# Altium PCB BoardM.PcbDoc (part 3 of 6) (continued)
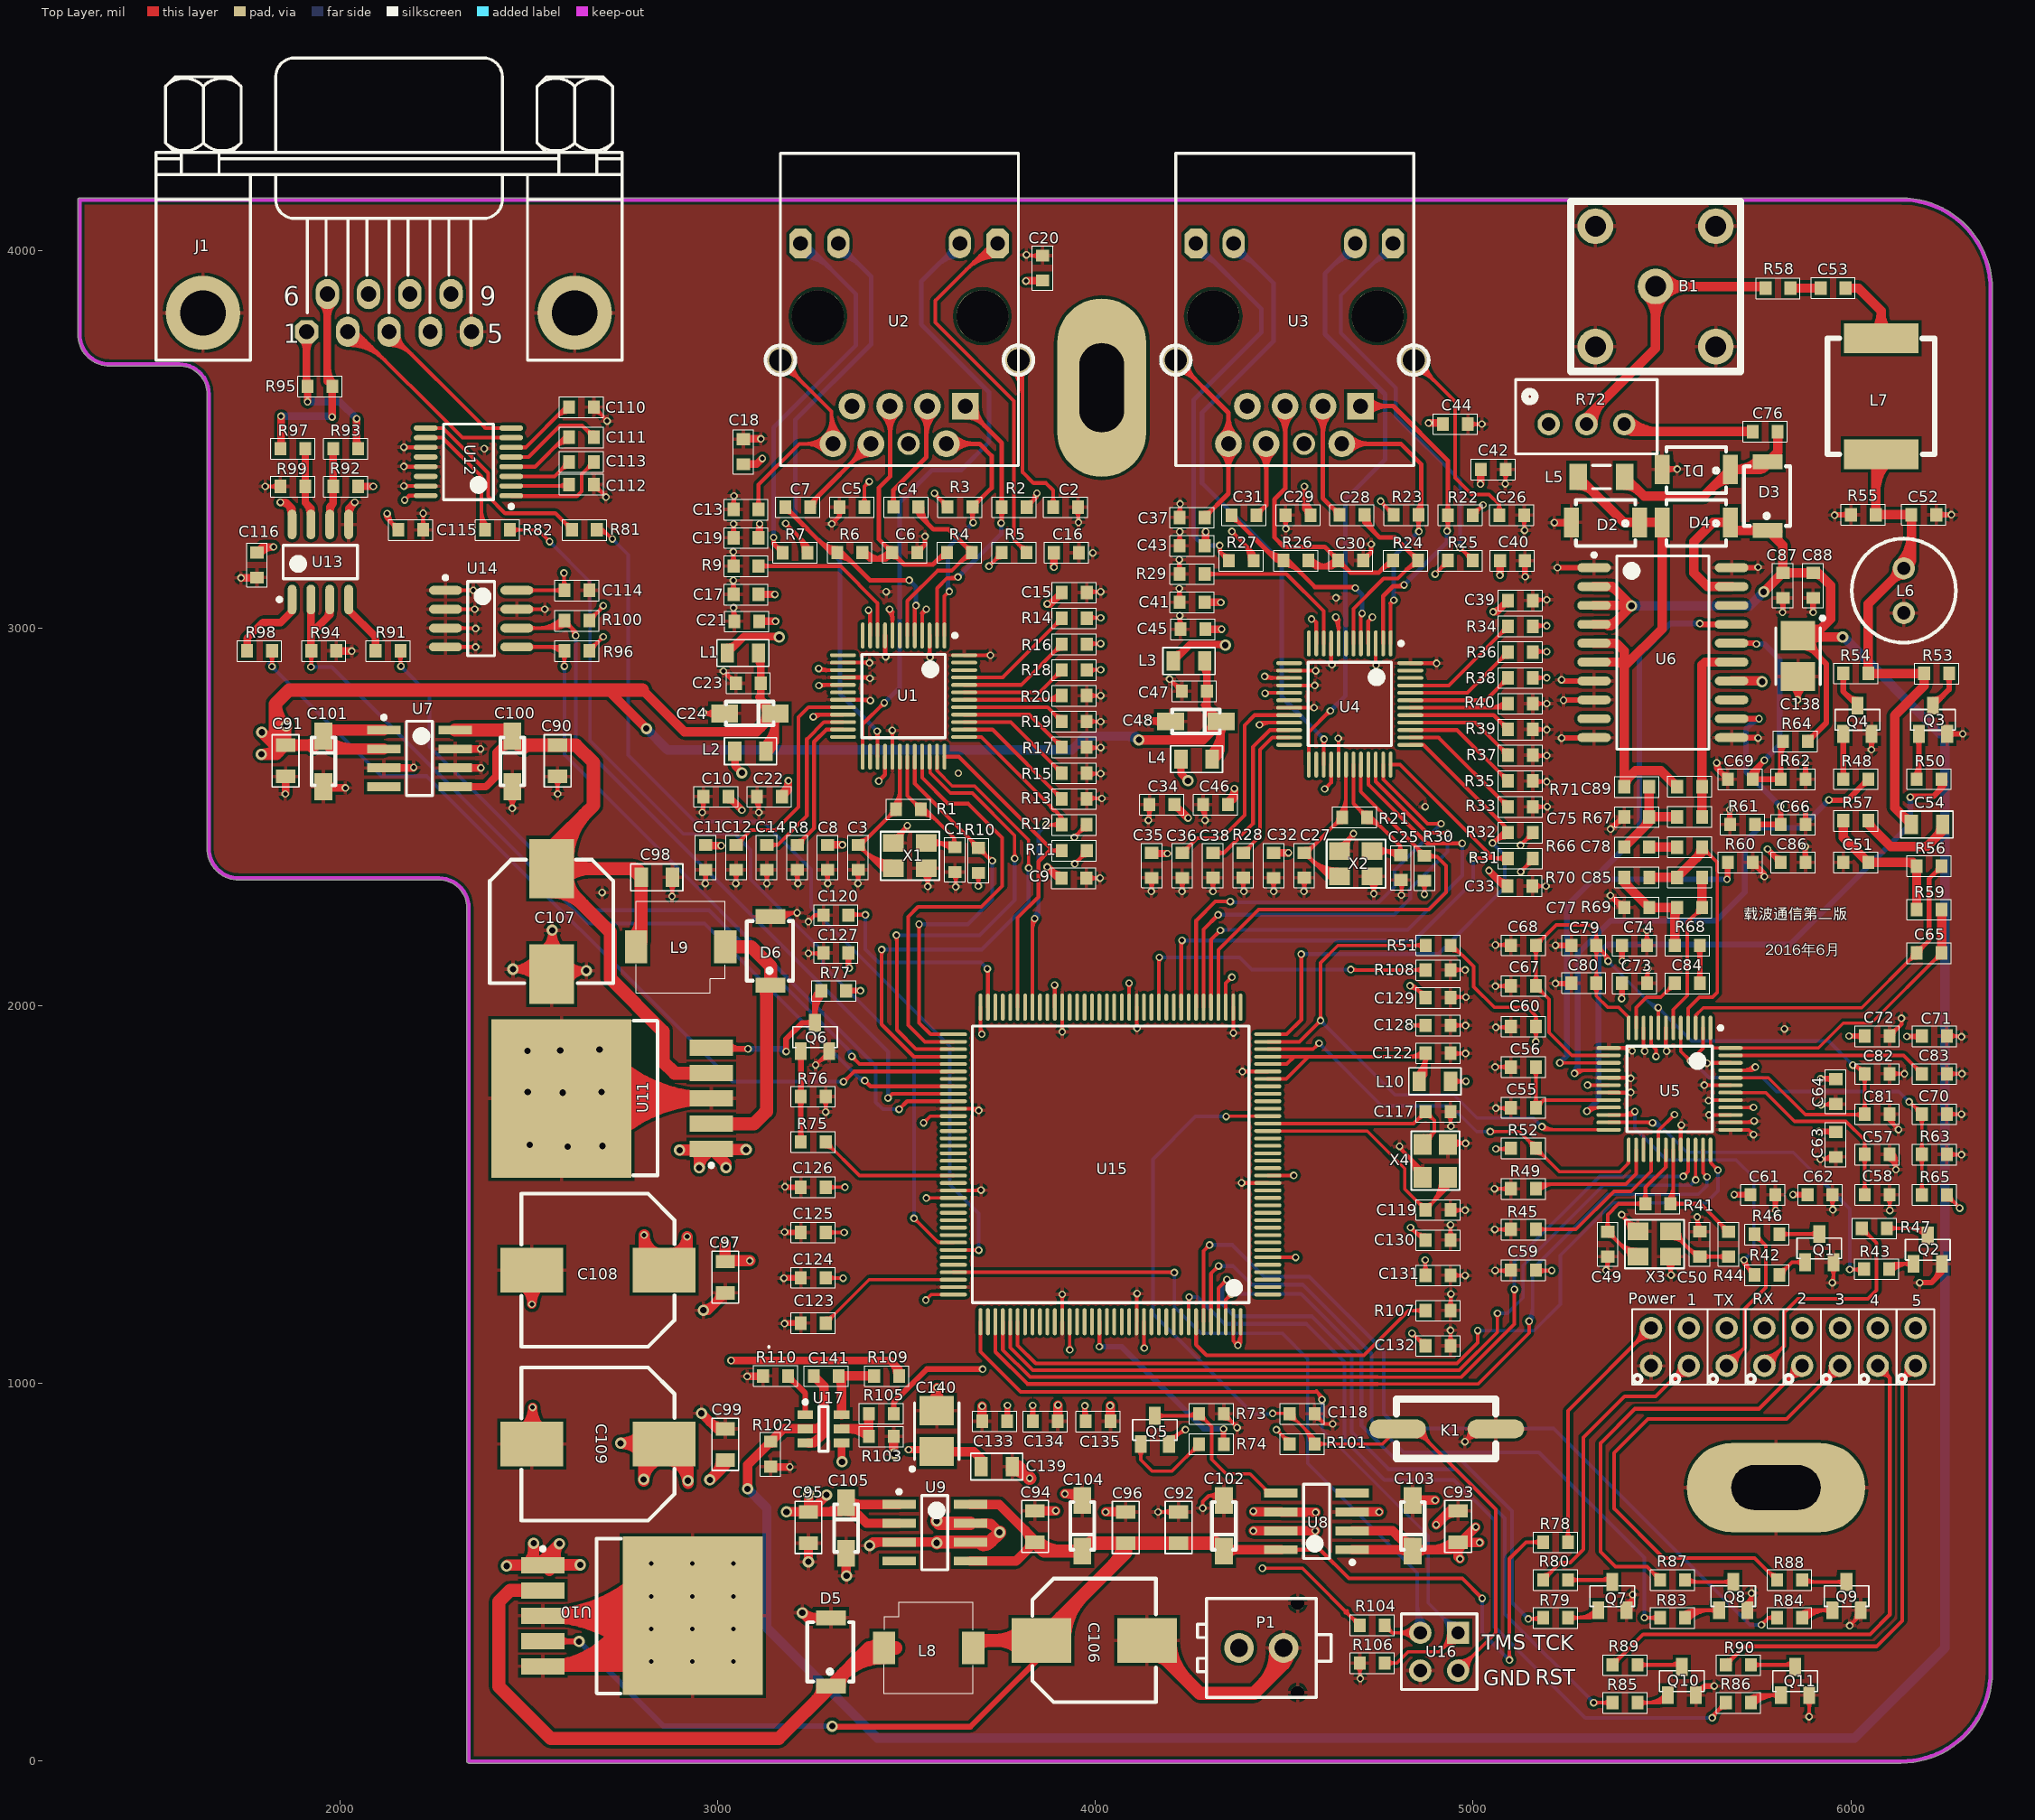
[diagram p0: Top Layer view]
## Nets (pads, with @x,y where several pads share a name; then routed paths per layer and width w, separated by ;. In a path a pad name is that pad's centre, name@x,y a point inside that pad or via, vN(x,y) a via of type N, cw(c..) or ccw(c..) an arc to the next point about the centre after c; other vN are vias at no path point) (continued)
5422,416.41 ; Q7.1@5412.93,415.92 ccw(c5417.32,420.88) 5422,416.2 ; X3.4@5414.56,1424.37 cw(c5393.12,1402.93) X3.4@5423.44,1402.93 ; v1@5418.46,437.46 cw(c5409.93,428.93) 5422,428.93 cw(c5434.07,428.93) v1@5425.54,437.46 ; v1@5451.1,1882.9 U5.10@5451.1,1941.42 ; 5451.1,1899.07 ccw(c5473.07,1899.07) v1@5457.54,1883.54 ; C73.1@5452.4,2069.57 ccw(c5429.22,2092.74) v1@5462,2092.74 ; C74.1@5452.4,2169.57 ccw(c5434.05,2187.92) 5460,2187.92 ccw(c5485.95,2187.92) C74.1@5467.6,2169.57 ; v1@5456.46,2196.46 cw(c5447.93,2187.93) 5460,2187.93 cw(c5472.07,2187.93) v1@5463.54,2196.46 ; v1@5458.46,2095.46 cw(c5449.93,2086.93) 5462,2086.93 cw(c5474.07,2086.93) v1@5465.54,2095.46 ; C74.1@5460,2160 v1(5460,2200) ; C73.1@5462,2062 v1(5462,2099) ; 5462,2083.09 ccw(c5481.12,2083.09) C73.1@5467.6,2069.57 ; X3.2@5509.45,1322.83 cw(c5477.66,1291.04) 5522.61,1291.04 cw(c5567.57,1291.04) X3.2@5535.78,1322.83 ; v1@5510.16,1881.84 U5.7@5510.16,1941.42 ; 5510.16,1896.52 ccw(c5528.52,1896.52) v1@5515.54,1883.54 ; v1@5522.61,1288.39 X3.2@5522.61,1336 ; 5522.61,1302.42 ccw(c5539.42,1302.42) v1@5527.54,1290.54 ; U5.32@5549.53,1618.58 v1@5549.53,1682.53 ; 5549.53,1668.37 cw(c5566.63,1668.37) v1@5554.54,1680.46 ; v1@5589.46,1437.46 cw(c5580.93,1428.93) 5593,1428.93 cw(c5605.07,1428.93) v1@5596.54,1437.46 ; C50.2@5593,1409 v1(5593,1441) ; v1@5593,1440.1 ccw(c5636.13,1440.1) C50.2@5605.63,1409.6 ; v1@5612.16,1789.84 U5.43@5681.42,1789.84 ; v1@5615.54,1786.46 cw(c5623.69,1778.31) 5623.69,1789.84 ; v1@5615.54,1793.54 ccw(c5624.45,1802.45) 5624.45,1789.84 ; v1@5619.9,1848.9 U5.46@5681.42,1848.9 ; v1@5622.54,1844.46 cw(c5633.24,1833.76) 5633.24,1848.9 ; v1(5623,1749) 5624.47,1750.47 U5.41@5681.42,1750.47 ; v1@5624.1,1711.1 U5.39@5681.42,1711.1 ; v1@5626.54,1745.46 cw(c5638.63,1733.37) 5638.63,1750.47 ; v1@5627.54,1707.46 cw(c5636.32,1698.68) 5636.32,1711.1 ; v1@5627.54,1714.54 ccw(c5635.82,1722.82) 5635.82,1711.1 ; U5.37@5681.42,1671.73 5729.27,1671.73 v1(5742,1659) ; U5.38@5681.42,1691.42 v1@5740.42,1691.42 ; Q8.1@5720.62,417.29 ccw(c5705.37,445) v1(5737,445) 5737,411.2 Q8.1@5725.8,400 ; 5723.28,1691.42 ccw(c5723.28,1715.72) v1@5740.46,1698.54 ; Q8.1@5725.44,408.53 ccw(c5714.68,428.08) 5737,428.08 ; v1@5733.46,441.46 cw(c5724.93,432.93) 5737,432.93 cw(c5749.07,432.93) v1@5740.54,441.46 ; v1@5737,1659 ccw(c5724.93,1659) 5733.46,1667.54 ccw(c5742,1676.07) v1@5742,1664 ; Q11.1@5882.2,159.53 cw(c5863.86,141.18) 5889.8,141.18 cw(c5915.75,141.18) Q11.1@5897.4,159.53 ; v1@5885.46,121.54 ccw(c5874.99,132.01) 5889.8,132.01 ; v1@5889.8,118.8 Q11.1@5889.8,175 ; 5889.8,128.13 ccw(c5899.13,128.13) v1@5892.54,121.54 ; v1(5921,1738) C64.1@5958,1738 ; v1@5922.54,1590.46 cw(c5931.07,1581.93) 5931.07,1594 cw(c5931.07,1606.07) v1@5922.54,1597.54 ; v1@5924.54,1734.46 cw(c5933.07,1725.93) 5933.07,1738 cw(c5933.07,1750.07) v1@5924.54,1741.54 ; v1@5927.26,1738 ccw(c5927.26,1770.78) C64.1@5950.43,1747.6 ; 5936.91,1738 cw(c5936.91,1718.88) C64.1@5950.43,1732.4 ; C63.1@5942.31,1594 ccw(c5942.31,1614.95) C63.1@5957.49,1600.52 ; C62.1@5943.68,1490.43 cw(c5925.34,1472.08) 5951.28,1472.08 cw(c5977.23,1472.08) C62.1@5958.88,1490.43 ; Q1.1@5946.2,1305.53 cw(c5927.86,1287.18) 5953.8,1287.18 cw(c5979.75,1287.18) Q1.1@5961.4,1305.53 ; v1@5947.46,1270.54 ccw(c5932.16,1285.84) 5953.8,1285.84 ; v1@5948.46,1463.54 ccw(c5941.66,1470.34) 5951.28,1470.34 ; C63.1@5950.24,1607.41 cw(c5919,1637.1) v1(5919,1594) C63.1@5954,1594 ; v1@5951.28,1460.72 C62.1@5951.28,1500 ; 5951.28,1473.8 ccw(c5965.8,1473.8) v1@5955.54,1463.54 ; v1@5953.8,1269.8 Q1.1@5953.8,1321 ; v1(5997,359) 6025.8,387.8 Q9.1@6025.8,400 ; v1@5997,364 ccw(c5997,376.07) 6005.54,367.54 ccw(c6014.07,359) v1@6002,359 ; 6004.4,366.4 ccw(c5978.67,392.13) Q9.1@6015.06,392.13 ; Q9.1@6014.83,376.83 cw(c6025.8,365.87) Q9.1@6025.8,381.38 ; C58.1@6094.97,1490.43 cw(c6076.62,1472.08) 6102.57,1472.08 cw(c6128.51,1472.08) C58.1@6110.17,1490.43 ; C57.1@6098.16,1594.9 cw(c6083.64,1562.66) v1@6119,1562.66 ; v1@6099.46,1461.54 ccw(c6091.97,1469.03) 6102.57,1469.03 ; C57.1@6102.26,1604.02 cw(c6090.61,1578.12) 6119,1578.12 ; v1@6102.57,1458.43 C58.1@6102.57,1500 ; 6102.57,1471.12 ccw(c6116.12,1471.12) v1@6106.54,1461.54 ; C57.1@6102.57,1606.67 6119,1590.23 v1(6119,1566) ; C81.1@6102.57,1713.33 6102.57,1695.43 ; C82.1@6102.57,1820 v1(6142,1820) ; C72.1@6102.57,1920 6134,1951.43 v1(6134,1967) ; C72.1@6102.57,1932.72 ccw(c6102.57,1963.42) 6124.28,1941.71 ; C81.1@6103.26,1711.08 ccw(c6120.73,1703.95) 6107.39,1690.61 ; C57.1@6104.46,1594.12 cw(c6107.56,1576.83) 6119.98,1589.25 ; C57.1@6106.36,1613.13 cw(c6097.57,1593.59) 6119,1593.59 ; C82.1@6110.17,1812.4 cw(c6128.52,1794.05) 6128.52,1820 cw(c6128.51,1845.95) C82.1@6110.17,1827.6 ; C81.1@6112.52,1707.31 ccw(c6135.85,1697.79) 6118.03,1679.97 ; C57.1@6113.31,1604.7 ccw(c6134.51,1604.7) 6119.52,1589.71 ; C72.1@6113.31,1921.97 cw(c6134.51,1921.97) 6119.52,1936.96 ; v1@6115.46,1569.54 ccw(c6106.93,1578.07) 6119,1578.07 ccw(c6131.07,1578.07) v1@6122.54,1569.54 ; v1@6121,1672 ccw(c6108.93,1672) 6117.46,1680.54 ccw(c6126,1689.07) v1@6126,1677 ; v1(6126,1672) 6102.57,1695.43 ; v1@6130.46,1963.46 cw(c6121.93,1954.93) 6134,1954.93 cw(c6146.07,1954.93) v1@6137.54,1963.46 ; v1@6138.46,1816.46 ccw(c6129.93,1807.93) 6129.93,1820 ccw(c6129.93,1832.07) v1@6138.46,1823.54 ; C83.1@6253.85,1820 v1(6294,1820) ; C71.1@6253.85,1920 v1@6291,1920 ; C70.1@6254.18,1713 v1(6293,1713) ; R63.1@6254.52,1606 v1(6293,1606) ; R63.1@6261.45,1599.07 cw(c6278.19,1582.33) 6278.19,1606 ; R63.1@6261.45,1614.27 ccw(c6281.41,1634.22) 6281.41,1606 ; C70.1@6261.45,1705.73 cw(c6278.99,1688.19) 6278.99,1713 ; C70.1@6261.45,1720.93 ccw(c6280.6,1740.09) 6280.6,1713 ; C83.1@6261.45,1812.4 cw(c6279.8,1794.05) 6279.8,1820 cw(c6279.8,1845.95) C83.1@6261.45,1827.6 ; C71.1@6261.45,1912.4 cw(c6279.8,1894.05) 6279.8,1920 cw(c6279.8,1945.95) C71.1@6261.45,1927.6 ; 6276.1,1920 cw(c6276.1,1901.1) v1@6289.46,1914.46 ; v1@6289.46,1602.46 ccw(c6280.93,1593.93) 6280.93,1606 ccw(c6280.93,1618.07) v1@6289.46,1609.54 ; v1@6289.46,1709.46 ccw(c6280.93,1700.93) 6280.93,1713 ccw(c6280.93,1725.07) v1@6289.46,1716.54 ; v1@6290.46,1816.46 ccw(c6281.93,1807.93) 6281.93,1820 ccw(c6281.93,1832.07) v1@6290.46,1823.54 ; 6102.57,1695.43 cw(c6109,1695.43) 6106.59,1701.4 ccw(c6109,1695.43) 6102.57,1695.43 ; 6102.57,1695.43 ccw(c6096.13,1695.43) 6098.54,1701.4 cw(c6096.13,1695.43) 6102.57,1695.43
  Top Layer w12: C10.2@2955.11,2545.14 cw(c2938.47,2528.5) 2962,2528.5 cw(c2985.53,2528.5) C10.2@2968.89,2545.14 ; v1@2956.17,2514.83 ccw(c2942.1,2528.9) 2962,2528.9 ; v1(2959,2512) 2962,2515 C10.2@2962,2554 ; C11.2@2961.11,2352.96 cw(c2944.47,2336.32) 2968,2336.32 cw(c2991.53,2336.32) C11.2@2974.89,2352.96 ; v1(2962,2776) v1@2962,2773 ; v1@2964.17,2326.83 ccw(c2954.93,2336.07) 2968,2336.07 ; v1@2964.83,2778.83 ccw(c2978.9,2792.9) 2978.9,2773 ; v1@2966.14,2773 cw(c2966.14,2733.87) C24.1@2993.81,2761.54 ; v1(2967,2324) 2968,2325 C11.2@2968,2359.85 ; C24.1@2993.67,2786.32 cw(c2962,2817.3) v1@2962,2773 ; v1(3015,2886) 3047,2854 C23.1@3048,2854 ; C24.1@3018.08,2774 3002,2757.92 2986.92,2773 v1@2962,2773 ; 3026.29,2874.71 ccw(c3048,2896.42) C23.1@3048,2865.72 ; C23.1@3033.46,2867.54 cw(c3021.88,2855.97) C23.1@3038.25,2855.97 ; C17.2@3035.11,3098.28 ccw(c3020.88,3112.51) 3041,3112.51 ; R9.2@3035.11,3173.14 ccw(c3020.88,3187.37) 3041,3187.37 ; C19.2@3035.11,3248 ccw(c3018.47,3264.64) 3042,3264.64 ccw(c3065.53,3264.64) C19.2@3048.89,3248 ; C13.2@3035.11,3322.86 ccw(c3016.05,3341.92) v1@3043,3341.92 ; C21.2@3037.11,3026.86 ccw(c3025.29,3038.67) 3042,3038.67 ; C17.2@3041,3090.42 v1(3041,3126) ; v1@3041,3117.34 ccw(c3067.95,3117.34) C17.2@3048.89,3098.28 ; R9.2@3041,3165.28 v1(3041,3202) ; v1@3041,3192.2 ccw(c3067.95,3192.2) R9.2@3048.89,3173.14 ; C12.2@3041.8,2352.96 cw(c3025.15,2336.32) 3048.69,2336.32 cw(c3072.22,2336.32) C12.2@3055.58,2352.96 ; C21.2@3042,3020 v1(3042,3054) ; v1@3042,3048.33 ccw(c3072.36,3048.33) C21.2@3050.89,3026.86 ; C19.2@3042,3239.14 v1(3042,3276) ; C13.2@3043,3315 v1(3043,3350) ; 3043,3337.09 ccw(c3063.12,3337.09) C13.2@3048.89,3322.86 ; v1@3045.17,2326.83 ccw(c3036.68,2335.32) 3048.69,2335.32 ; v1(3048,2324) 3048.69,2324.69 C12.2@3048.69,2359.85 ; C22.2@3097.11,2545.14 cw(c3068.4,2516.43) v1@3109,2516.43 ; C22.2@3104,2554 3109,2549 v1(3109,2512) ; C14.1@3123.04,2353.11 cw(c3106.4,2336.47) 3129.94,2336.47 cw(c3153.47,2336.47) C14.1@3136.83,2353.11 ; C14.1@3129.94,2360 3129.94,2324.06 v1(3130,2324) ; R8.1@3203.73,2353.11 cw(c3187.09,2336.47) 3210.62,2336.47 cw(c3234.16,2336.47) R8.1@3217.52,2353.11 ; v1@3210.62,2325.38 R8.1@3210.62,2360 ; 3210.62,2336.98 ccw(c3224.98,2336.98) v1@3214.83,2326.83 ; C8.2@3283.86,2352.96 cw(c3267.22,2336.32) 3290.75,2336.32 cw(c3314.29,2336.32) C8.2@3297.65,2352.96 ; v1@3290.75,2324.25 C8.2@3290.75,2359.85 ; 3290.75,2334.25 ccw(c3301.25,2334.25) v1@3293.83,2326.83 ; v1(3302,3276) 3322.25,3296.25 ; C5.1@3315.76,3310.76 cw(c3302.79,3296.25) 3322.25,3296.25 ; C5.1@3322.25,3320 3322.25,3296.25 ; C5.1@3328.74,3310.76 ccw(c3341.71,3296.25) 3322.25,3296.25 ; U1.16@3331.57,2869.21 3400.79,2869.21 v1(3403,2867) ; C3.1@3365.11,2353.11 cw(c3348.47,2336.47) 3372,2336.47 cw(c3395.53,2336.47) C3.1@3378.89,2353.11 ; v1@3368.17,2326.83 ccw(c3358.93,2336.07) 3372,2336.07 ; v1@3372,2325 C3.1@3372,2360 ; 3388,2869.21 cw(c3388,2852) v1@3400.17,2864.17 ; 3389.13,2810.16 cw(c3389.13,2793.13) v1@3401.17,2805.17 ; 3390.94,2908.58 cw(c3390.94,2896.94) v1@3399.17,2905.17 ; v1@3401.42,2908.58 v1(3402,2908) ; v1@3401.84,2810.16 v1(3404,2808) ; 3442.79,2939 ccw(c3460,2939) v1@3447.83,2926.83 ; U1.9@3442.79,2980.43 3442.79,2926.21 v1(3445,2924) ; C6.1@3527.85,3200 3549,3221.15 v1(3549,3243) ; C6.1@3527.85,3211.72 ccw(c3527.85,3240) 3547.85,3220 ; C6.1@3537.6,3201.97 cw(c3556.38,3201.97) C6.1@3543.1,3215.25 ; v1@3560.9,2924.1 v1(3562,2923) ; 3560.9,2935.32 ccw(c3574.32,2935.32) v1@3564.83,2925.83 ; C34.2@4136.11,2524.14 cw(c4119.47,2507.5) 4143,2507.5 cw(c4166.53,2507.5) C34.2@4149.89,2524.14 ; v1@4137.17,2493.83 ccw(c4123.1,2507.9) 4143,2507.9 ; v1(4140,2491) 4143,2494 C34.2@4143,2533 ; C35.2@4142.11,2331.96 cw(c4125.47,2315.32) 4149,2315.32 cw(c4172.53,2315.32) C35.2@4155.89,2331.96 ; v1@4145.17,2305.83 ccw(c4135.93,2315.07) 4149,2315.07 ; v1(4148,2303) 4149,2304 C35.2@4149,2338.85 ; C48.1@4183,2736.92 C48.1@4199.08,2753 ; v1(4196,2865) 4228,2833 C47.1@4229,2833 ; 4207.29,2853.71 ccw(c4229,2875.42) C47.1@4229,2844.72 ; C47.1@4214.46,2846.54 cw(c4202.88,2834.97) C47.1@4219.25,2834.97 ; C41.2@4216.11,3077.28 ccw(c4201.88,3091.51) 4222,3091.51 ; R29.2@4216.11,3152.14 ccw(c4201.88,3166.37) 4222,3166.37 ; C43.2@4216.11,3227 ccw(c4199.47,3243.64) 4223,3243.64 ccw(c4246.53,3243.64) C43.2@4229.89,3227 ; C37.2@4216.11,3301.86 ccw(c4197.05,3320.92) v1@4224,3320.92 ; C45.2@4218.11,3005.86 ccw(c4206.29,3017.67) 4223,3017.67 ; C41.2@4222,3069.42 v1(4222,3105) ; v1@4222,3096.34 ccw(c4248.95,3096.34) C41.2@4229.89,3077.28 ; R29.2@4222,3144.28 v1(4222,3181) ; v1@4222,3171.2 ccw(c4248.95,3171.2) R29.2@4229.89,3152.14 ; C36.2@4222.8,2331.96 cw(c4206.15,2315.32) 4229.69,2315.32 cw(c4253.22,2315.32) C36.2@4236.58,2331.96 ; C45.2@4223,2999 v1(4223,3033) ; v1@4223,3027.33 ccw(c4253.36,3027.33) C45.2@4231.89,3005.86 ; C43.2@4223,3218.14 v1(4223,3255) ; C37.2@4224,3294 v1(4224,3329) ; 4224,3316.09 ccw(c4244.12,3316.09) C37.2@4229.89,3301.86 ; v1@4226.17,2305.83 ccw(c4217.68,2314.32) 4229.69,2314.32 ; v1(4229,2303) 4229.69,2303.69 C36.2@4229.69,2338.85 ; C46.2@4278.11,2524.14 cw(c4249.4,2495.43) v1@4290,2495.43 ; C46.2@4285,2533 4290,2528 v1(4290,2491) ; C38.1@4304.04,2332.11 cw(c4287.4,2315.47) 4310.94,2315.47 cw(c4334.47,2315.47) C38.1@4317.83,2332.11 ; C38.1@4310.94,2339 4310.94,2303.06 v1(4311,2303) ; R28.1@4384.73,2332.11 cw(c4368.09,2315.47) 4391.62,2315.47 cw(c4415.16,2315.47) R28.1@4398.52,2332.11 ; v1@4391.62,2304.38 R28.1@4391.62,2339 ; 4391.62,2315.98 ccw(c4405.98,2315.98) v1@4395.83,2305.83 ; C32.2@4464.86,2331.96 cw(c4448.22,2315.32) 4471.75,2315.32 cw(c4495.29,2315.32) C32.2@4478.65,2331.96 ; v1@4471.75,2303.25 C32.2@4471.75,2338.85 ; 4471.75,2313.25 ccw(c4482.25,2313.25) v1@4474.83,2305.83 ; C29.1@4496.36,3290.14 cw(c4479.72,3273.5) 4503.25,3273.5 cw(c4526.78,3273.5) C29.1@4510.14,3290.14 ; v1@4503.25,3263 C29.1@4503.25,3299 ; 4503.25,3274.47 ccw(c4515.47,3274.47) v1@4506.83,3265.83 ; C27.1@4546.11,2332.11 cw(c4529.47,2315.47) 4553,2315.47 cw(c4576.53,2315.47) C27.1@4559.89,2332.11 ; v1@4549.17,2305.83 ccw(c4539.93,2315.07) 4553,2315.07 ; v1@4553,2304 C27.1@4553,2339 ; C30.1@4708.85,3179 4730,3200.15 v1(4730,3222) ; C30.1@4708.85,3190.72 ccw(c4708.85,3219) 4728.85,3199 ; C30.1@4718.6,3180.97 cw(c4737.38,3180.97) C30.1@4724.1,3194.25
  Top Layer w15: v1@3175.89,1279.89 C124.1@3220,1279.89 ; v1@3178,1160 C123.1@3220,1160 ; v1@3178.22,1399.78 C125.1@3220,1399.78 ; v1@3179.34,1519.66 C126.1@3220,1519.66 ; v1@5137,3137 C40.2@5137,3178.44 ; v1(5218,2059) C80.1@5259,2059 ; v1(5218,2160) C79.1@5260,2160 ; v1(5223,3160) U6.1@5320,3160 ; v1(5234,2709) U6.1@5320,2710 ; v1@5234,2860 U6.1@5320,2860 ; 5237.75,2059 cw(c5237.75,2035.78) C80.1@5254.17,2052.2 ; v1(5239,2809) 5245,2809 U6.1@5320,2810 ; 5242.43,2059 ccw(c5242.43,2075.61) C80.1@5254.17,2063.86 ; C79.1@5254.17,2154.17 ccw(c5240.09,2140.09) 5240.09,2160 ccw(c5240.09,2179.91) C79.1@5254.17,2165.83 ; v1(5364,2468) 5396.14,2500.14 C75.2@5399.85,2500.14 ; v1@5365,2290 C77.1@5397,2258 ; 5374.02,2280.98 ccw(c5400,2306.95) C77.1@5400,2270.22 ; 5376.07,2480.08 cw(c5399.85,2456.3) C75.2@5399.85,2489.92 ; D1.1@5501,3421 v1(5540,3421) ; D1.1@5508.62,3411.38 cw(c5531.83,3388.17) v1@5531.83,3421 ; D1.1@5508.62,3428.62 ccw(c5527,3447) 5527,3421 ; Q10.1@5589.8,175 5613.8,199 ; Q10.1@5590.8,191.06 ccw(c5594.15,218.65) 5613.8,199 ; v1(5638,199) 5613.8,199 ; v1(5645,2643) 5645,2629 C69.2@5674,2600 ; v1@5647.5,2643 ccw(c5687.33,2643) C69.2@5659.17,2614.83 ; 5656.56,2617.44 ccw(c5674,2634.88) C69.2@5674,2610.22 ; C69.2@5661.31,2612.69 cw(c5650.59,2601.97) C69.2@5665.75,2601.97 ; R61.1@5674.17,2487.8 ccw(c5662.5,2499.47) 5679,2499.47 ; R61.1@5679,2481 v1(5679,2519) ; 5679,2504.3 ccw(c5702.33,2504.3) R61.1@5685.83,2487.8 ; U6.1@5684.17,2710 v1@5753,2710 ; U6.1@5684.17,3160 v1@5753,3160 ; R60.1@5740,2369.78 cw(c5740,2345.12) 5757.44,2362.56 ; R60.1@5740,2380 5770,2350 v1@5770,2342 ; R60.1@5748.25,2378.03 ccw(c5763.41,2378.03) R60.1@5752.69,2367.31 ; 5761.78,2358.22 cw(c5745.56,2342) v1@5768.5,2342 ; C61.1@5794.17,1492.2 cw(c5780.09,1478.12) 5800,1478.12 cw(c5819.91,1478.12) C61.1@5805.83,1492.2 ; v1@5800,1459 C61.1@5800,1500 ; C87.1@5814.17,3074.17 cw(c5800.09,3060.09) 5820,3060.09 cw(c5839.91,3060.09) C87.1@5825.83,3074.17 ; v1@5820,3043 C87.1@5820,3080 ; C138.1@5841.81,2846.77 cw(c5815.74,2811) v1@5860,2811 ; C138.1@5860,2871.73 v1@5860,2811 ; C86.1@5874.17,2387.8 ccw(c5862.5,2399.47) 5879,2399.47 ; C66.1@5874.17,2487.8 ccw(c5860.09,2501.88) 5880,2501.88 ccw(c5899.91,2501.88) C66.1@5885.83,2487.8 ; R62.1@5874.17,2607.8 ccw(c5860.09,2621.88) 5880,2621.88 ccw(c5899.91,2621.88) R62.1@5885.83,2607.8 ; C138.1@5878.19,2846.77 ccw(c5904.26,2811) v1@5860,2811 ; C86.1@5879,2381 v1(5879,2422) ; 5879,2404.3 ccw(c5902.33,2404.3) C86.1@5885.83,2387.8 ; C66.1@5880,2480 v1(5880,2520) ; R62.1@5880,2600 v1(5880,2642) ; C88.1@5894.17,3074.17 cw(c5880.09,3060.09) 5900,3060.09 cw(c5919.91,3060.09) C88.1@5905.83,3074.17 ; v1(5900,3042) C88.1@5900,3080 ; v1@5958,3300 R55.1@6000,3300 ; R55.1@5994.17,3294.17 ccw(c5980.09,3280.09) 5980.09,3300 ccw(c5980.09,3319.91) R55.1@5994.17,3305.83 ; Q4.1@6048.97,2706.29 cw(c6034.89,2692.21) 6054.8,2692.21 cw(c6074.72,2692.21) Q4.1@6060.64,2706.29 ; v1@6054.8,2678.8 Q4.1@6054.8,2720 ; v1(6182,1267) 6213,1267 6240.8,1294.8 Q2.1@6240.8,1317 ; 6220.16,1274.16 ccw(c6189.76,1304.57) Q2.1@6232.59,1308.39 ; C52.2@6226,3300 v1(6266,3300) ; C52.2@6231.83,3294.17 cw(c6245.91,3280.09) 6245.91,3300 cw(c6245.91,3319.91) C52.2@6231.83,3305.83 ; Q3.1@6254.8,2720 v1(6296,2720) ; Q3.1@6260.64,2714.17 cw(c6274.72,2700.09) 6274.72,2720 cw(c6274.72,2739.91) Q3.1@6260.64,2725.83
  Top Layer w20: v1(1738,3133) C116.2@1779,3133 ; 1761.74,3133 ccw(c1761.74,3150.29) C116.2@1773.97,3138.06 ; C91.2@1850.54,2601.87 cw(c1837.37,2588.69) 1856,2588.69 cw(c1874.63,2588.69) C91.2@1861.46,2601.87 ; v1@1856,2562 C91.2@1856,2607.32 ; C101.1@1959.08,2577 v1(2014,2577) ; C101.1@1965.63,2570.45 cw(c1981.45,2554.62) 1981.45,2577 ; C101.1@1965.63,2589.71 ccw(c1996.32,2620.4) 1996.32,2577 ; R94.1@1991,2939 v1(2031,2939) ; R94.1@1994.06,2933.97 cw(c2006.22,2921.82) 2006.22,2939 ; U13.5@2023,3274.41 2023,3317 v1(2039,3333) ; U13.5@2024.81,3301.97 cw(c2065.47,3301.97) v1@2036.72,3330.72 ; U7.3@2116,2630 2194,2630 v1(2195,2631) ; U7.6@2304.98,2630 v1(2373,2630) ; U7.7@2304.98,2680 v1(2372,2680) ; 2494.85,2097 ccw(c2494.85,2145.64) C107.1@2535.64,2119.14 ; C107.1@2518.87,2130.04 cw(c2458,2169.58) v2(2458,2097) ; C107.1@2525.02,2068.91 ccw(c2458,2003) v2(2458,2097) ; C107.1@2532.34,2143.82 ccw(c2493.97,2200) v2(2562,2200) ; C107.1@2558.62,2097 v2(2458,2097) ; C107.1@2562,2100.38 v2(2562,2200) ; C107.1@2569.38,2093 v2(2652,2093) ; C107.1@2586.3,2071.27 cw(c2620.51,2055.21) 2620.51,2093 ; C107.1@2590.27,2141.91 cw(c2635.81,2200) v2(2562,2200) ; C107.1@2595.68,2117.29 ccw(c2651.99,2170.43) v2(2652,2093) ; C107.1@2604.4,2062.77 cw(c2652,2040.42) v2(2652,2093) ; C18.2@3068,3500 3069,3501 v1(3114,3501) ; C18.2@3074.03,3495.94 cw(c3086.26,3483.71) 3086.26,3501 ; v1(3078,1019) 3119,1019 R110.1@3120,1020 ; 3103.78,1019 cw(c3103.78,1001.82) R110.1@3115.94,1013.97 ; R102.1@3140,780 3141,779 v1(3191,779) ; R102.1@3146.03,784.06 ccw(c3158.26,796.29) 3158.26,779 ; v1(4141,2754) C48.1@4198.08,2754 ; 4151.97,2754 cw(c4151.97,2717.7) C48.1@4177.64,2743.37 ; 4156.8,2754 ccw(c4156.8,2783.47) C48.1@4177.64,2762.63 ; v1(5215,3279) D2.1@5259,3279 ; 5234.2,3279 ccw(c5234.2,3305.8) D2.1@5253.15,3286.85 ; 5239.03,3279 cw(c5239.03,3259.03) D2.1@5253.15,3273.15
  Top Layer w25: C109.1@2479.93,877.47 ccw(c2436.05,937) v1(2510,937) ; C108.1@2480.95,1261.8 cw(c2444.89,1210) v1(2508,1210) ; C108.1@2508,1299.56 v1(2508,1210) ; C109.1@2510,842.44 v1(2510,937) ; C108.1@2534.75,1262.21 ccw(c2572.32,1210) v1(2508,1210) ; C109.1@2538.16,875.09 cw(c2592.13,936.99) v1(2510,937) ; v2(2957,921) 2998,880 C99.1@3020,880 ; v2(2962,1194) 2974,1194 C97.1@3020,1240 ; v2@2962,1196.5 ccw(c2962,1231.51) 2986.75,1206.75 ; 2979.11,898.89 ccw(c3012.13,931.91) C99.1@3012.13,885.22 ; 2997.65,1217.65 ccw(c2975.31,1240) C97.1@3006.91,1240 ; v2(3224,393) 3237,380 D5.1@3300,380 ; v2@3225.77,394.77 ccw(c3261.42,430.42) D5.1@3261.42,380 ; v2(3240,528) C95.2@3240,577.32 ; C105.1@3332.14,530.4 cw(c3313.15,511.42) 3340,511.42 cw(c3366.85,511.42) C105.1@3347.86,530.4 ; v2@3340,492 C105.1@3340,550.08 ; v2(3402,571) 3411,580 U9.3@3480,580 v2@3578,580 ; v2@3403.77,569.23 cw(c3429.76,543.24) 3429.76,580 ; v2@3465.85,815.15 R103.1@3465.85,860 ; C140.1@3562.3,947.16 ccw(c3524.03,988) v1@3580,988 ; C140.1@3580,928.27 v1@3580,988 ; v1(3581,989) v1@3580,988 ; C140.1@3597.7,947.16 cw(c3635.97,988) v1@3580,988 ; U9.7@3668.98,630 3722,630 v2(3746,606) ; C133.1@3700,900 v1(3700,940) ; U9.7@3701.39,630.69 cw(c3705.33,592.79) 3732.27,619.73 ; U9.7@3701.46,630.69 cw(c3701.46,582.76) 3735.35,616.65 ; C94.2@3840.32,663 v1(3895,663) ; C134.1@3901,901 v1(3901,943) ; v1(3919,708) C104.1@3946.92,708 ; v1@3923.02,708 cw(c3923.02,659.75) C104.1@3957.14,693.87 ; v1(4027,660) C96.1@4080,660 ; C135.1@4039,901 v1(4039,941) ; v1(4418,610) U8.7@4491.02,610 ; v1@4420,660 U8.6@4491.02,660 ; U8.7@4493.02,610 v1(4582,610) ; U8.6@4493.02,659 v1(4583,659) ; U8.3@4680,660 v1(4751,660) ; C103.1@4840,689.92 4841.08,691 v1(4899,691) ; C103.1@4847.86,682.06 cw(c4869.46,660.47) 4869.46,691 ; C103.1@4847.86,697.79 ccw(c4864.25,714.17) 4864.25,691 ; v1(4902,626) 4938.68,662.68 C93.2@4960,662.68 ; 4920.26,644.26 cw(c4952.13,612.4) C93.2@4952.13,657.46
  Top Layer w30: U10.5@2579.63,251.28 ccw(c2579.63,487.34) U10.6@2801.86,407.75 ; 2622.24,251.28 ccw(c2622.24,472.08) U10.6@2830.1,397.64 ; 2664.85,251.28 ccw(c2664.85,456.82) U10.6@2858.35,387.52 ; 2707.46,251.28 ccw(c2707.46,441.56) U10.6@2886.59,377.41 ; U10.6@2750.07,251.28 ccw(c2750.07,426.3) U10.6@2914.83,367.29 ; U10.6@2773.62,417.87 cw(c2537.02,502.6) U10.5@2537,251.28 U10.6@2799.84,251.28
  Top Layer w35: U11.6@2586.3,1754.86 U11.3@2983,1754.86 ; U11.6@2588.23,1768.23 ccw(c2620.52,1800.52) U11.6@2620.52,1754.86 ; U11.6@2656.22,1686.85 cw(c2817.24,1530.23) 2817.24,1754.86 cw(c2817.24,1979.49) U11.6@2656.22,1822.87 ; U11.6@2656.65,1754.86 ccw(c2656.65,1807.35) U11.6@2693.77,1770.23 ; U11.6@2681.31,1662.45 cw(c2900.11,1449.63) 2900.11,1754.86 cw(c2900.11,2060.09) U11.6@2681.31,1847.27 ; U11.6@2690.23,1770.23 ccw(c2727.35,1807.35) U11.6@2727.35,1754.86 ; U11.6@2706.4,1638.04 cw(c2982.98,1369.02) U11.3@2983,1754.86 ; U11.6@2706.4,1871.67 ccw(c2982.98,2140.69) U11.3@2983,1754.86 ; U10.6@2813.6,268.33 ccw(c2537.02,-0.69) U10.3@2537,385.14 ; U10.6@2813.6,501.96 cw(c2537.02,770.98) U10.3@2537,385.14 ; U10.6@2838.69,292.73 ccw(c2619.89,79.91) 2619.89,385.14 ccw(c2619.89,690.37) U10.6@2838.69,477.55 ; U10.6@2863.78,317.13 ccw(c2702.76,160.51) 2702.76,385.14 ccw(c2702.76,609.77) U10.6@2863.78,453.15 ; U10.6@2933.7,385.14 U10.3@2537,385.14 ; v2(3580,578) 3582,580 U9.6@3668.98,580 3720,580 ; v2(3580,636) 3586,630 U9.7@3668.98,630 ; U9.6@3700.08,574.48 ccw(c3705.16,594.83) 3720,580 ; U9.6@3701.46,574.31 ccw(c3701.46,605.34) 3723.4,583.4 ; v2(3746,606) 3720,580 ; C139.1@3780,771.91 cw(c3780,716.16) v1@3819.42,755.58 ; C139.1@3795,780 v1(3826,749) ; C106.1@4136.38,320 4276.38,180 4420,180 4498.11,258.11 ; C106.1@4156.06,278.44 cw(c4156.06,225.65) C106.1@4193.4,262.98 ; C106.1@4197.62,320 ccw(c4345.46,320) 4240.92,215.46 ; 4440.95,200.95 ccw(c4354.43,287.47) P1.2@4476.32,298.1 ; P1.2@4485.61,282.05 cw(c4468.93,258.11) 4498.11,258.11 ; 4494.04,254.04 ccw(c4452.09,295.99) P1.2@4511.19,301.14 ; P1.2@4498.11,300 4498.11,258.11 ; P1.2@4510.61,282.05 ccw(c4527.29,258.11) 4498.11,258.11
  other v1: 5889,118 2824,264 2933,264 3042,264 2824,350.33 2933,350.33 3042,350.33 2824,436.67 2933,436.67 3042,436.67 2824,523 2933,523 3042,523 4418,662 3177,1159 4110,1238 5951,1267 3175,1279 5524,1287 5352,1300 3177,1401 5801,1458 6103,1458 5952,1460 3697,1512 3178,1521 4387,1531 5551,1684 5744,1695 5624,1711 5417,1771 5612,1790 5417,1808 4389,1826 5619,1848 5454,1880 5512,1880 6293,1918 5824,1939 4110,1941 4810,2293 2694,2300 4393,2303 4472,2303 4552,2303 3212,2324 3291,2324 3371,2324 5771,2342 4873,2527 1855,2561 3637,2616 6054,2678 4643,2708 5754,2709 5859,2810 5234,2863 4583,2887 4743,2902 4626,2903 4903,2907 3722,2928 2359,2999 5819,3042 4637,3080 3446,3096 5138,3136 5754,3161 3993,3199 4504,3263 5957,3299 2169,3428 2382,3475 2169,3479
  other v2: 3341,491 3467,814 2603,1627 2695,1629 2502,1632 2590,1770 2497,1772 2692,1772 2496,1881 2583,1882 2687,1884